# Altium PCB 400442.PcbDoc (part 1 of 4)
Units mil, origin at the board's own origin, x right, y up, seen from the top; angles counter-clockwise.
Board outline 5375 x 2500 mil, 4 copper layers (Top Layer, Mid-Layer 1, Mid-Layer 2, Bottom Layer), stack 59.252 mil thick; 333 components, 216 nets, 1371 pads, 1287 vias.
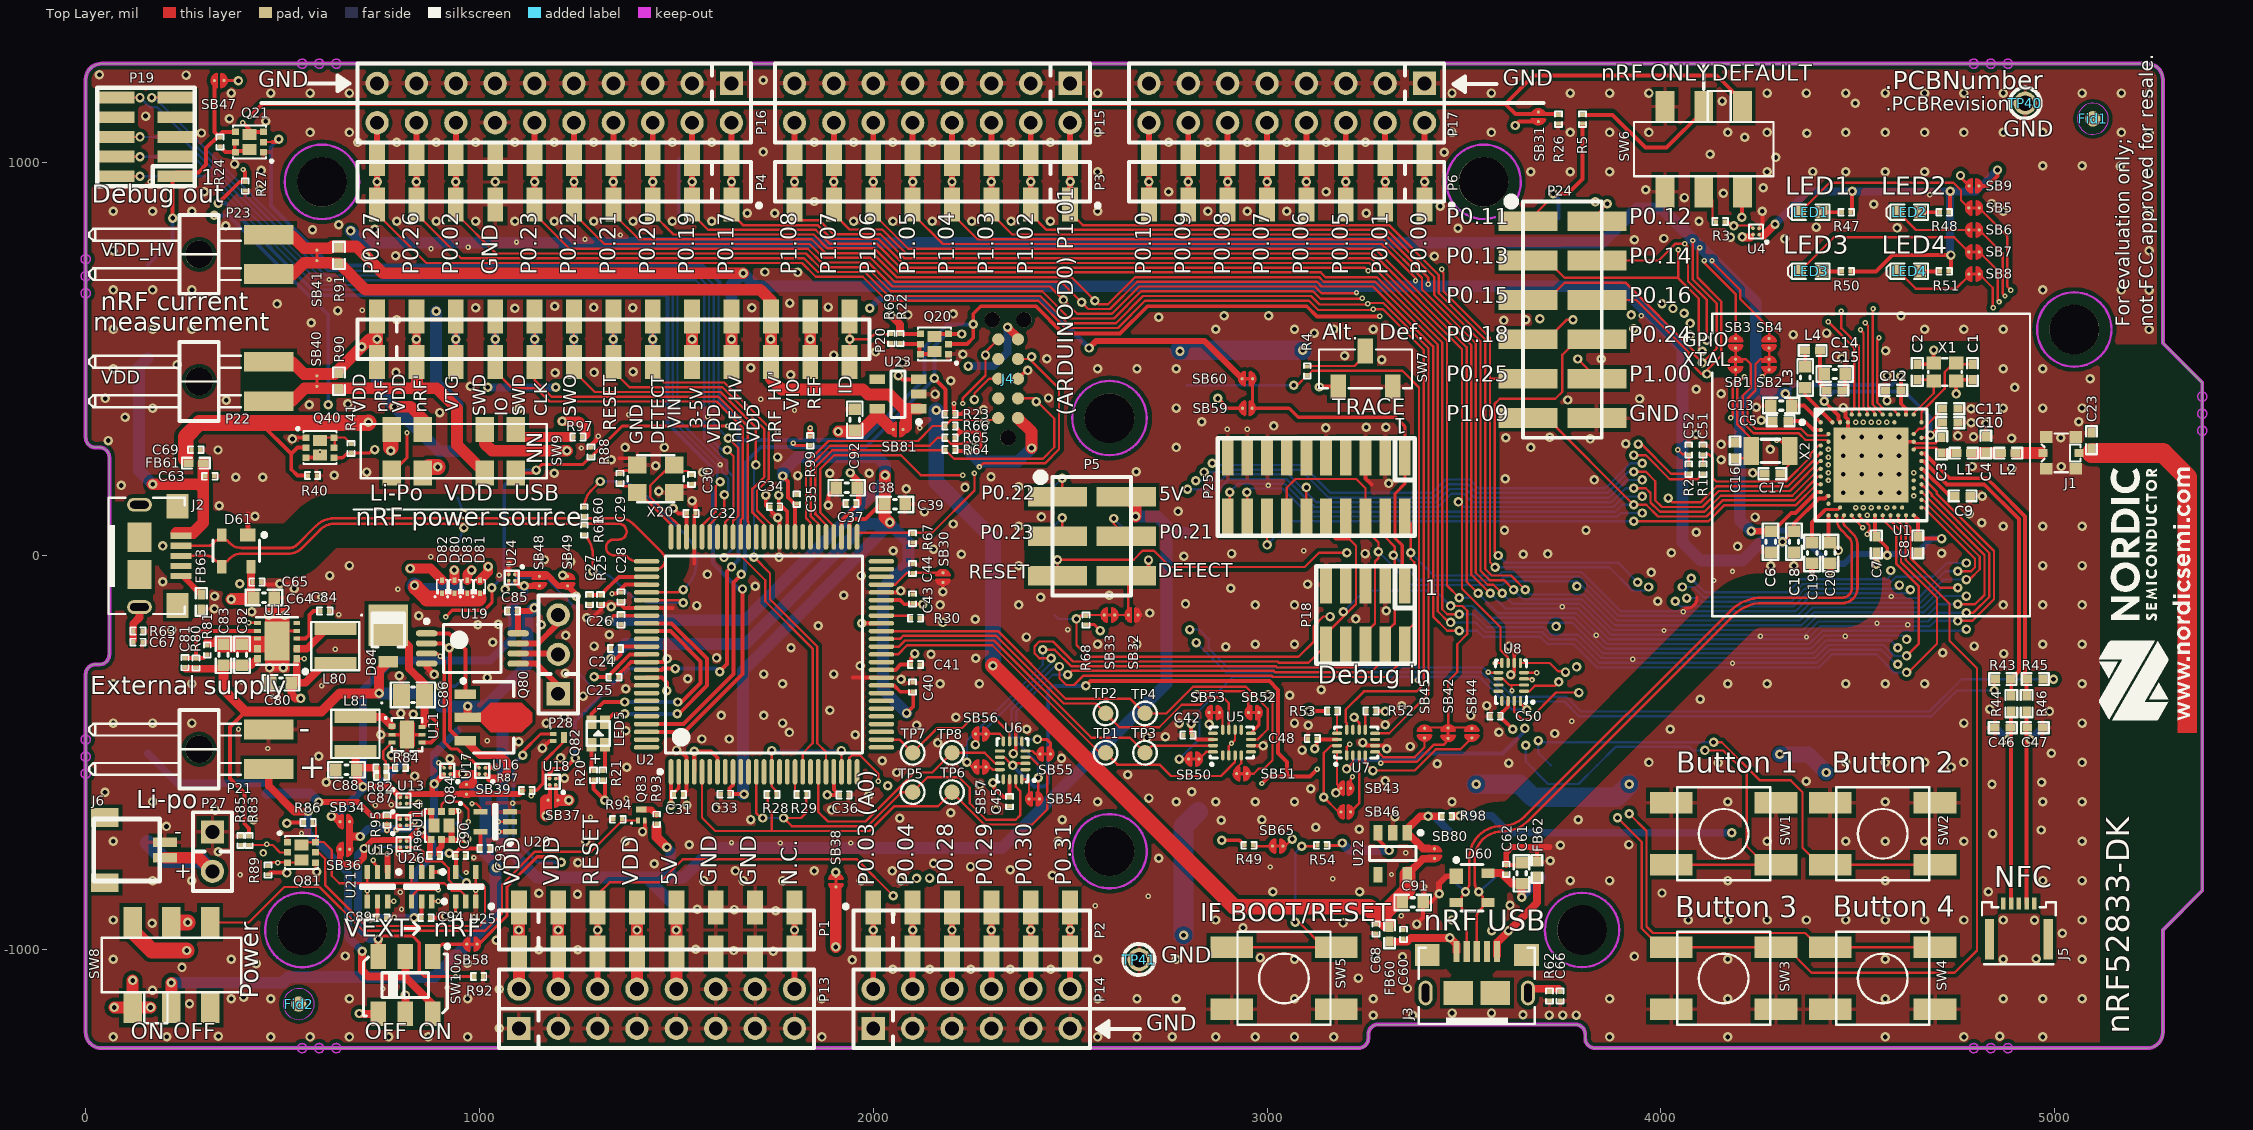
[diagram p0: Top Layer view]
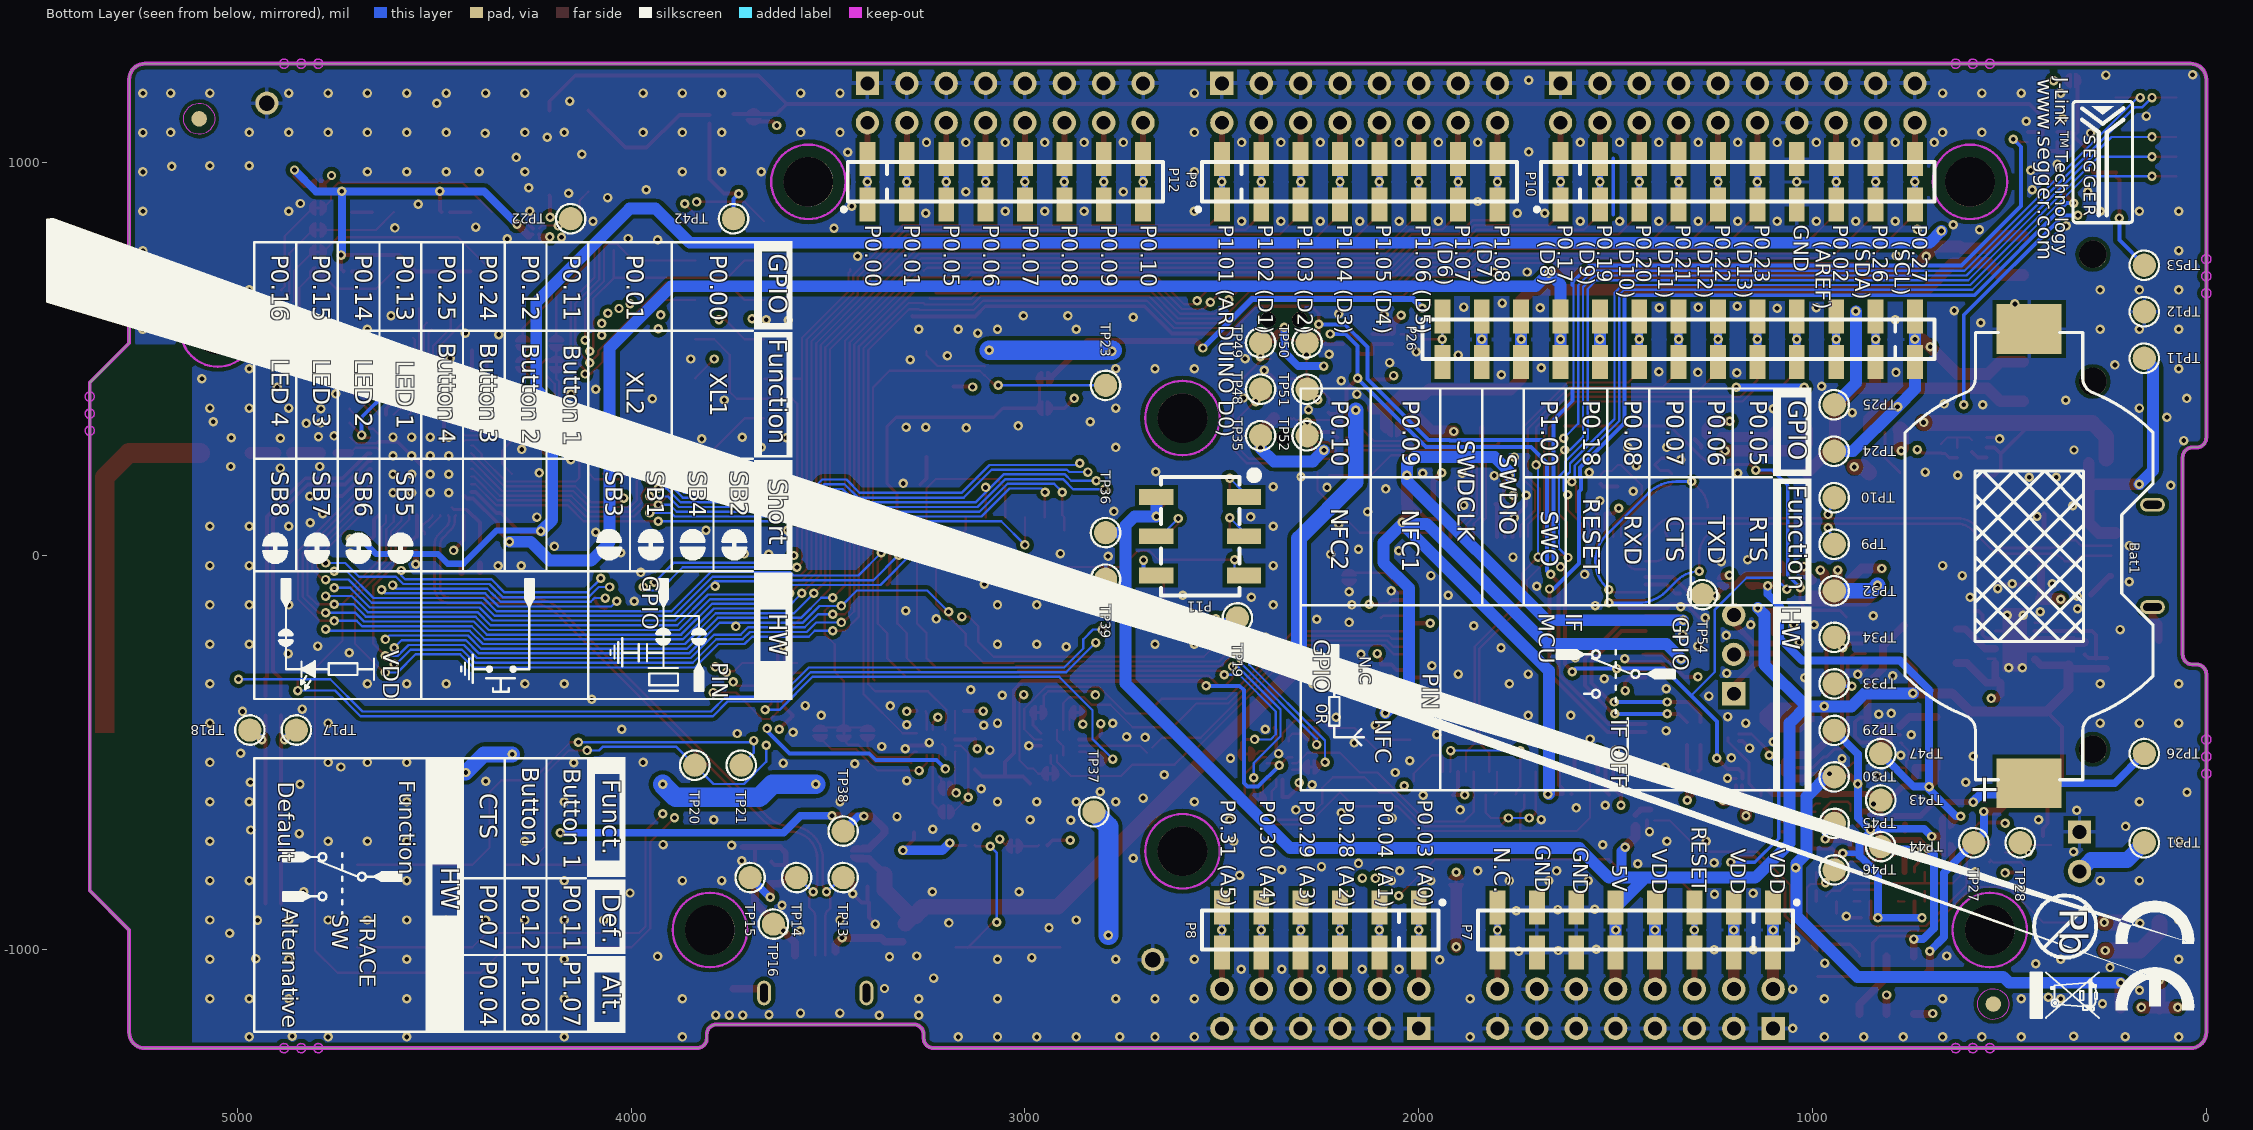
[diagram p1: Bottom Layer view, seen from below]
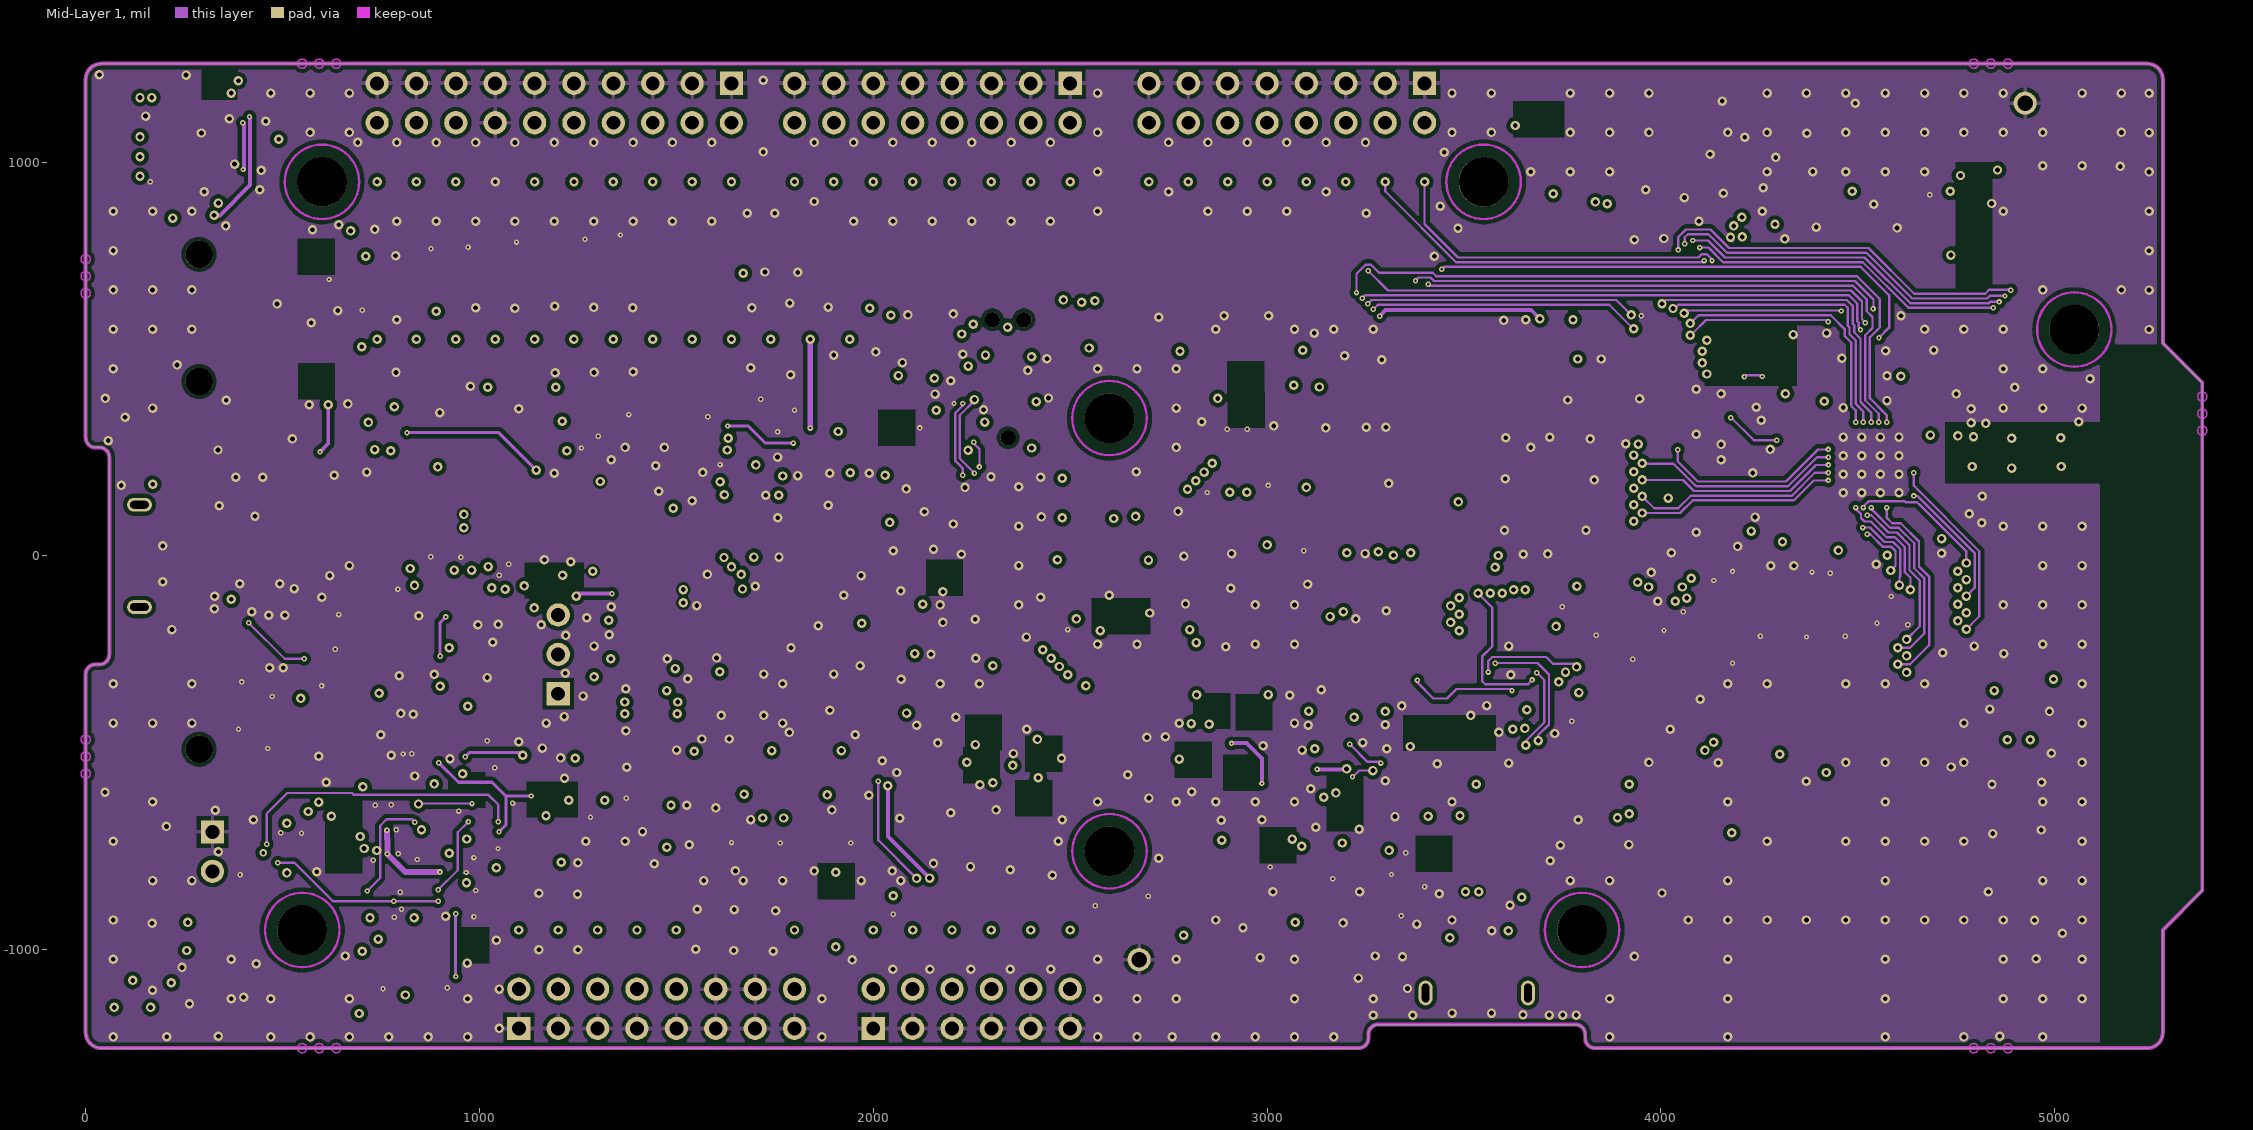
[diagram p2: Mid-Layer 1]
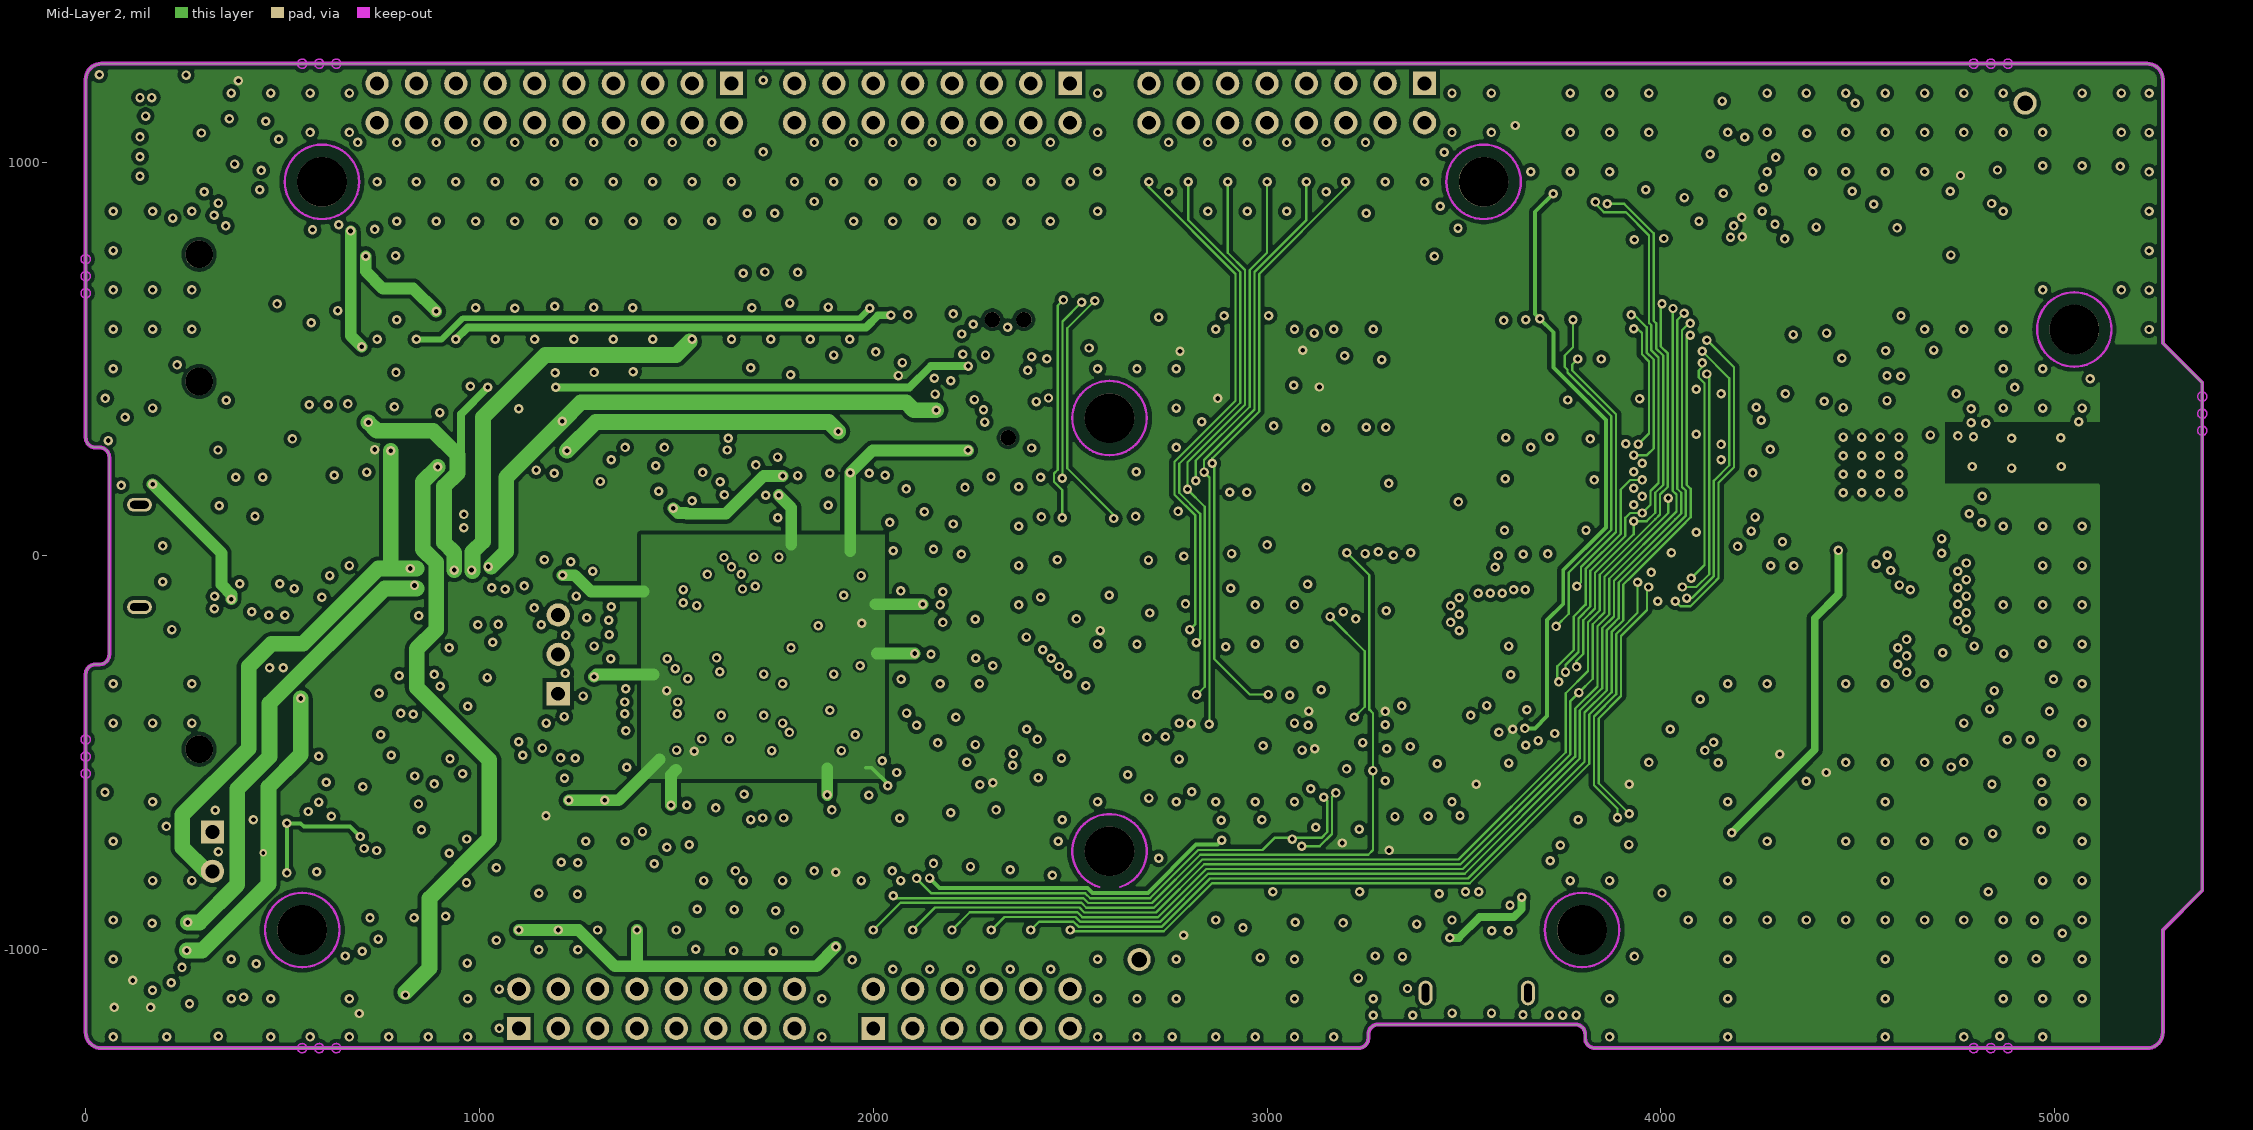
[diagram p3: Mid-Layer 2]
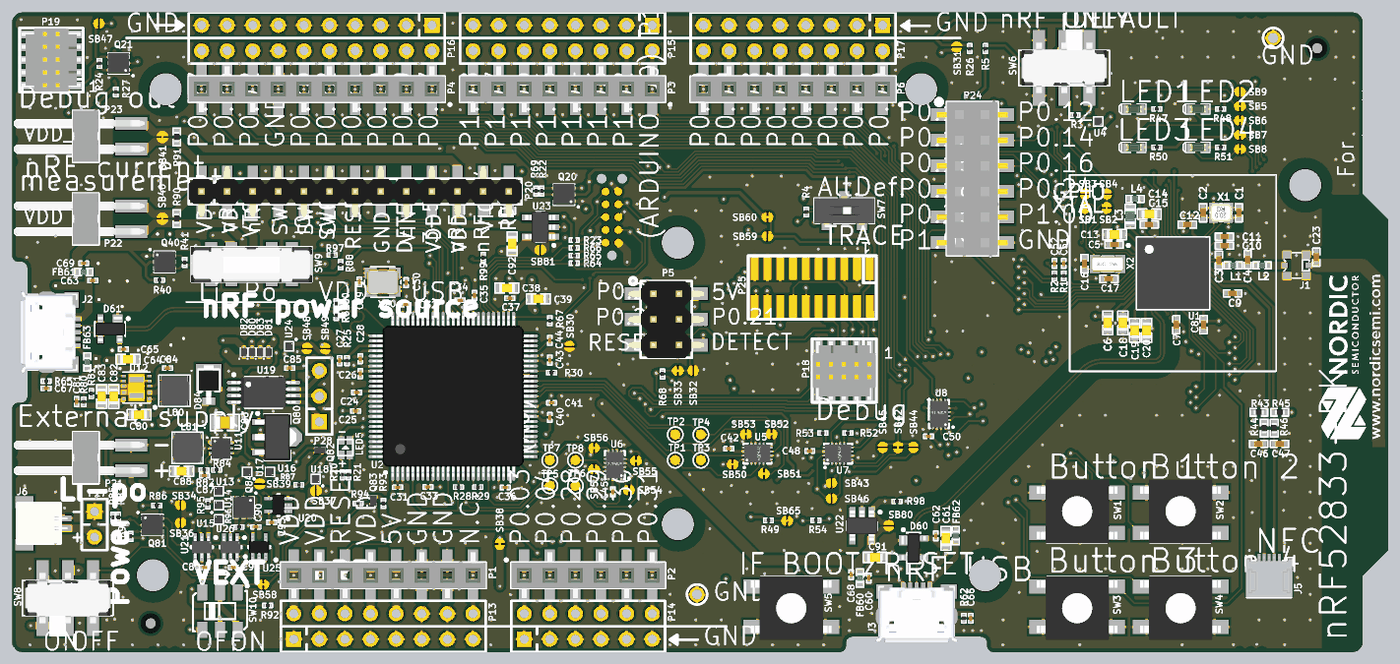
[diagram p7: 3D render of the assembled board from above, using the file's embedded part models]

## Layer stack, top to bottom
Top Solder: solder mask 1.8701, Solder Resist, Dk 3.5
Top Layer: signal copper 0.689
Dielectric1: prepreg 3.937, FR-4, Dk 3.72
Mid-Layer 1: signal copper 1.378
Dielectric2: core 47.2441, FR-4, Dk 3.72
Mid-Layer 2: signal copper 1.378
Dielectric3: prepreg 3.937, FR-4, Dk 3.72
Bottom Layer: signal copper 0.689
Bottom Solder: solder mask 1.8701, Solder Resist, Dk 3.5

## Board outline
0,-1210 0,-300.4 cw(c25,-300.4) 25,-275.4 35,-275.4 ccw(c35,-250.4) 60,-250.4 60,250.4 ccw(c35,250.4) 35,275.4 25,275.4 cw(c25,300.4) 0,300.4 0,1210 cw(c40,1210) 40,1250 5235,1250 cw(c5235,1210) 5275,1210 5275,540 5375,440 5375,-850 5275,-950 5275,-1210 cw(c5235,-1210) 5235,-1250 3833.05,-1250 cw(c3833.05,-1225) 3808.05,-1225 3808.05,-1215 ccw(c3783.05,-1215) 3783.05,-1190 3282.24,-1190 ccw(c3282.24,-1215) 3257.24,-1215 3257.24,-1225 cw(c3232.24,-1225) 3232.24,-1250 40,-1250 cw(c40,-1210)

## Design rules (kind name [scope] priority, off if disabled: settings)
Clearance USB_Poly_Clearance [InNamedPolygon('Top_Layer-GND') vs (IsArc or IsTrack) and (InDifferentialPair('D') or InDifferentialPair('D*') or InDifferentialPair('DHSD') )] p1: gap=59.06 ignorepadtopadclearanceinfootprint=FALSE
Clearance "NPTH clearance" [Not PadIsPlated And HoleSize > 0] p2: gap=9 ignorepadtopadclearanceinfootprint=FALSE except(0: Arc-Hole Track-Hole SMDPad-Hole THPad-Hole Via-Hole Fill-Hole Poly-Hole Region-Hole Text-Hole)
Clearance USB_Clearance [(InDifferentialPairClass('All Differential Pairs'))] p3: gap=6 ignorepadtopadclearanceinfootprint=FALSE except(0: Arc-Hole Track-Hole SMDPad-Hole THPad-Hole Via-Hole Fill-Hole Poly-Hole Region-Hole Text-Hole)
Clearance ANT_Clerance [InNet('ANT') or InNet('RF') vs InNamedPolygon('Top_Layer-GND')] p4: gap=10 ignorepadtopadclearanceinfootprint=FALSE
Clearance Polygon_Clearance [(InNamedPolygon('Top_Layer-GND')) or (InNamedPolygon('Bottom_Layer-GND')) or (InNamedPolygon('Mid_Layer_1-GND')) or (InNamedPolygon('Mid_Layer_2-VDD'))] p5: gap=10 ignorepadtopadclearanceinfootprint=FALSE except(0: Arc-Hole Track-Hole SMDPad-Hole THPad-Hole Via-Hole Fill-Hole Poly-Hole Region-Hole Text-Hole)
Clearance SB_Clearance [HasFootprint('Solderbridge') or HasFootprint('QFN40P180X140X55-10N')] p6: gap=5 ignorepadtopadclearanceinfootprint=FALSE except(0: Arc-Hole Track-Hole SMDPad-Hole THPad-Hole Via-Hole Fill-Hole Poly-Hole Region-Hole Text-Hole)
Clearance CSP_Clearance [HasFootprint('BGA4C40P2X2_76X76X62')] p7: gap=5 ignorepadtopadclearanceinfootprint=FALSE except(0: Arc-Hole Track-Hole SMDPad-Hole THPad-Hole Via-Hole Fill-Hole Poly-Hole Region-Hole Text-Hole)
Clearance P23_Clearance [HasFootprint('FPC_05P-0.5mm-RA-SMD')] p8: gap=5 ignorepadtopadclearanceinfootprint=FALSE except(0: Arc-Hole Track-Hole SMDPad-Hole THPad-Hole Via-Hole Fill-Hole Poly-Hole Region-Hole Text-Hole)
Clearance PSON35P100X50-8N_Clearance [HasFootprint('PSON35P100X50-8N')] p9: gap=5.91 ignorepadtopadclearanceinfootprint=FALSE except(0: Arc-Hole Track-Hole SMDPad-Hole THPad-Hole Via-Hole Fill-Hole Poly-Hole Region-Hole Text-Hole)
Clearance Top_layer_Clearance [All vs OnLayer('Top Layer')] p10: gap=5.71 ignorepadtopadclearanceinfootprint=FALSE
Clearance [All] p11: gap=5.91 ignorepadtopadclearanceinfootprint=FALSE except(0: Arc-Hole Track-Hole SMDPad-Hole THPad-Hole Via-Hole Fill-Hole Poly-Hole Region-Hole Text-Hole)
ComponentClearance [All] p1 off: gap=10 collisioncheckmode=3 verticalgap=10 showdistances=FALSE
DiffPairsRouting [All] p1: maxlimit=7.6 minlimit=7.5 mostfreqgap=7.6 toplayer_minwidth=6.5 toplayer_maxwidth=6.5 toplayer_prefwidth=6.5 midlayer1_minwidth=6.5 midlayer1_maxwidth=6.5 midlayer1_prefwidth=6.5 midlayer2_minwidth=6.5 midlayer2_maxwidth=6.5 midlayer2_prefwidth=6.5 bottomlayer_minwidth=6.5 bottomlayer_maxwidth=6.5 bottomlayer_prefwidth=6.5 maxuncoupledlength=500
FabricationTestPointUsage TestPointUsage [All] p1: valid=0 allowmultiple=FALSE
FabricationTestpoint Testpoint [All] p1: side=3 testpointundercomponent=TRUE minsize=40 maxsize=100 preferedsize=60 minholesize=0 maxholesize=40 preferedholesize=32 testpointgrid=1 allowsidetop=TRUE allowsidebottom=TRUE usegrid=TRUE gridtolerance=0.01
Height [All] p1 off: minheight=0 maxheight=1000 prefheight=500
HoleSize [All] p1: absolutevalues=TRUE maxlimit=196.85 minlimit=5.91 maxpercent=80.000 minpercent=20.000
MinimumAnnularRing [All] p1 off: minimumring=6
NetAntennae NetAntennae_ANT [InNet('ANT')] p1: netantennaetolerance=1574.8
NetAntennae [All] p2: netantennaetolerance=0
PolygonConnect PolygonConnect_1 [isVia and innet(gnd) or isVia and innet('VDD') or HasFootprint('COAXIAL-SWF') or isVia and innet('VDD_SAM')] p1: connectstyle=Direct reliefconductorwidth=10 reliefentries=4 polygonreliefangle="90 Angle" airgapwidth=10
PolygonConnect [All] p2: connectstyle=Relief reliefconductorwidth=10 reliefentries=4 polygonreliefangle="90 Angle" airgapwidth=10
RoutingVias [All] p1: holewidth=12 width=24 viastyle="Through Hole" minholewidth=5.91 minwidth=13.78 maxholewidth=12 maxwidth=24
SilkToSolderMaskClearance SilkscreenOverComponentPads [IsPad] p1: minsilkscreentomaskgap=10 clearancetoexposedcopper=TRUE
SolderMaskExpansion [All] p1: expansion=3
UnpouredPolygon [All] p1 off:
Width Width_Diff [(InDifferentialPairClass('All Differential Pairs'))] p1: maxlimit=6.5 minlimit=6.5 preferedwidth=6.5
Width [All] p2: maxlimit=400 minlimit=5.71 preferedwidth=6 midlayer1_minwidth=5.91 midlayer2_minwidth=5.91 bottomlayer_minwidth=5.91 minimp=50.000000 maximp=50.000000 favimp=50.000000
21 further rules are at their usual default settings.

## Classes and differential pairs
differential pair D*: +D*_P -D*_N
differential pair DHSD: +DHSD_P -DHSD_N
differential pair DFSD: +DFSD_P -DFSD_N

## Components (designator, comment, footprint, x,y, rotation, side; value= is the part's Value field where it differs from the comment)
Bat1 "Bat Holder CR2032" CR2032_HOLDER_RENATA_SMTU_2032-1-LF 450,-0.6 r90 bottom locked
C1 "12pF" CAPC1005X04L 4791.45,467.04 r270 top
C2 "12pF" CAPC1005X04L 4651.45,467.04 r90 top
C3 "1.0pF" CAPC1005X04L 4713.2,281.21 r270 top
C4 "1.2pF" CAPC1005X04L 4825.6,283 r270 top
C5 "100nF" CAPC1005X04L 4304.08,342.73 r180 top
C6 "4.7µF" CAPC1608X06L 4278.98,36.12 r270 top
C7 "100nF" CAPC1005X04L 4546.84,29.23 r270 top
C8 "100nF" CAPC1005X04L 4653.09,29.23 r270 top
C9 "820pF" CAPC1005X04L 4766.28,152.26 r0 top
C10 "N.C." CAPC1005X04L 4734.79,338.28 r180 top
C11 "100pF" CAPC1005X04L 4734.79,373.72 r0 top
C12 "100nF" CAPC1005X04L 4590.1,420.96 r180 top
C13 "1.0µF" CAPC1608X06L 4305.65,381.65 r180 top
C14 "1.0µF" CAPC1608X06L 4441.48,461.87 r180 top
C15 "47nF" CAPC1005X04L 4441,421 r0 top
C16 "12pF" CAPC1005X04L 4188.39,267.73 r270 top
C17 "12pF" CAPC1005X04L 4283.39,208.73 r0 top
C18 "4.7µF" CAPC1608X06L 4338.13,36.12 r270 top
C19 "4.7µF" CAPC1608X06L 4384.39,7.57 r270 top
C20 "4.7µF" CAPC1608X06L 4430.65,7.57 r270 top
C23 "1.2pF" CAPC1005X04L 5093.67,293.46 r90 top
C24 "100nF" CAPC0603X03L_C 1345.61,-235 r0 top
C25 "100nF" CAPC0603X03L_C 1341.61,-308 r180 top
C26 "100nF" CAPC0603X03L_C 1359.61,-162 r90 top
C27 "10pF" CAPC0603X03L_C 1279.61,-111 r90 top
C28 "100nF" CAPC0603X03L_C 1359.61,-104 r90 top
C29 "18pF" CAPC0603X03L_C 1356.61,197 r90 top
C30 "18pF" CAPC0603X03L_C 1538.61,194 r270 top
C31 "100nF" CAPC0603X03L_C 1505.61,-606 r180 top
C32 "100nF" CAPC0603X03L_C 1537.61,108 r0 top
C33 "100nF" CAPC0603X03L_C 1624,-605 r0 top
C34 "100nF" CAPC0603X03L_C 1749.61,125 r0 top
C35 "100nF" CAPC0603X03L_C 1805.61,144 r270 top
C36 "100nF" CAPC0603X03L_C 1926,-607 r180 top
C37 "100nF" CAPC0603X03L_C 1943.61,133 r0 top
C38 "10µF" CAPC1608X06L 1932.61,173 r0 top
C39 "10µF" CAPC1608X06L 2055,131 r180 top
C40 "100nF" CAPC0603X03L_C 2100,-333 r270 top
C41 "100nF" CAPC0603X03L_C 2107,-276 r180 top
C42 "100nF" CAPC0603X03L_C 2799,-455 r0 top
C43 "100nF" CAPC0603X03L_C 2100,-109 r270 top
C44 "10nF" CAPC0603X03L_C 2100,-32 r270 top
C45 "100nF" CAPC0603X03L_C 2346,-624 r90 top
C46 "300pF" CAPC1005X04L 4868,-436.27 r180 top
C47 "300pF" CAPC1005X04L 4950,-436.27 r180 top
C48 "100nF" CAPC0603X03L_C 3115,-464 r0 top
C50 "100nF" CAPC0603X03L_C 3579,-407 r0 top
C51 "N.C." CAPC0603X03L_C 4107,269 r270 top
C52 "N.C." CAPC0603X03L_C 4071,269 r90 top
C60 "10nF" CAPC0603X03L_C 3346.27,-960.97 r270 top
C61 "10µF" CAPC1608X06L 3646.57,-805.97 r270 top
C62 "100nF" CAPC0603X03L_C 3607.57,-795.97 r270 top
C63 "10nF" CAPC0603X03L_C 315,202 r0 top
C64 "10µF" CAPC1608X06L 452.61,-106 r180 top
C65 "100nF" CAPC0603X03L_C 434.61,-66 r180 top
C66 "4.7nF" CAPC0603X03L_C 3744.25,-1117.89 r90 top
C67 "4.7nF" CAPC0603X03L_C 132.84,-219 r180 top
C68 "100nF" CAPC0603X03L_C 3276.5,-947.5 r90 top
C69 "100nF" CAPC0603X03L_C 279.6,269.7 r180 top
C80 "10µF" CAPC1608X06L 496,-322 r0 top
C81 "15pF" CAPC0603X03L_C 252,-271 r270 top
C82 "10µF" CAPC1608X06L 397,-251 r270 top
C83 "10µF" CAPC1608X06L 350,-251 r270 top
C84 "470nF" CAPC0603X03L_C 607,-140 r180 top
C85 "100nF" CAPC0603X03L_C 1084,-140 r0 top
C86 "4.7µF" CAPC2012X11L 831,-353 r0 top
C87 "150pF" CAPC0603X03L_C 751,-560 r180 top
C88 "10µF" CAPC1608X06L 662,-543 r0 top
C89 "100nF" CAPC0603X03L_C 752,-919 r180 top
C90 "100nF" CAPC0603X03L_C 952,-761 r180 top
C91 "1.0µF" CAPC1608X06L 3370,-880 r180 top
C92 "1.0µF" CAPC1608X06L 1953,346 r270 top
C93 "100nF" CAPC0603X03L_C 1014,-743 r180 top
C94 "100nF" CAPC0603X03L_C 864,-919 r180 top
D60 "PRTR5V0U2X" SOT190P230X110-4L 3520.76,-842.92 r0 top
D61 "PRTR5V0U2X" SOT190P230X110-4L 382.61,13 r270 top
D80 "NSR0620P2T5G" SODFL100X40-2N 937,-78.13 r90 top
D81 "NSR0620P2T5G" SODFL100X40-2N 1001,-78.13 r90 top
D82 "NSR0620P2T5G" SODFL100X40-2N 905,-78.13 r90 top
D83 "NSR0620P2T5G" SODFL100X40-2N 969,-78.13 r90 top
D84 "MBRM110E" DO-216AA 768,-204 r270 top
FB60 "120R/0.55A" INDC1005X04L 3311.27,-960.97 r90 top
FB61 "120R/0.55A" INDC1005X04L 279.9,235.6 r180 top
FB62 "120R/0.55A" INDC1005X04L 3685.57,-794.97 r90 top
FB63 "120R/0.55A" INDC1005X04L 293.57,-116.97 r270 top
Fid1 "Fiducial mark" Fiducial 5097.28,1110 r180 top
Fid2 "Fiducial mark" Fiducial 541.05,-1138 r0 top
J1 "MM8130-2600" COAXIAL-SWF 5016.67,261.46 r90 top
J2 "MicroUSB-B" USB-Micro-B-RA-SMD-PiP 241.84,0 r0 top
J3 "MicroUSB-B" USB-Micro-B-RA-SMD-PiP 3532.65,-1004.65 r90 top
J4 "TC2050-IDC" TC2050-IDC-NLFP 2342.52,450 r90 top locked
J5 "FPC 0.5mm RA SMD" FPC_05P-0.5mm-RA-SMD 4869.99,-882.75 r0 top
J6 "HDR-2, 1mm" SM02B-SRSS-TB 201,-747 r270 top locked
L1 "4.7nH" INDC1005X04L 4769.2,261.21 r0 top
L2 "2.2nH" INDC1005X04L 4882,261.2 r0 top
L3 "10µH" INDC1608X06L 4366.68,453.44 r270 top
L4 "15nH" INDC1005X04L 4385.38,521.35 r180 top
L80 "2.2µH" TY-NR3015 634,-229 r270 top
L81 "4.7µH" TY-NR3015 685,-452 r270 top
LED1 "L0603G" LED_0603_G 4380.83,872.73 r0 top
LED2 "L0603G" LED_0603_G 4630.83,872.73 r0 top
LED3 "L0603G" LED_0603_G 4380.83,722.73 r0 top
LED4 "L0603G" LED_0603_G 4630.83,722.73 r0 top
LED5 "LED RG" LED_DUAL_0606 1301.61,-451 r180 top
P1 "Socket 1x8" SOCKET_1x8_SMD 1100,-950 r0 top locked
P2 "Socket 1x6" SOCKET_1x6_SMD 2000,-950 r0 top locked
P3 "Socket 1x8" SOCKET_1x8_SMD 2500,950 r180 top locked
P4 "Socket 1x10" SOCKET_1x10_SMD 1640,950 r180 top locked
P5 "Pin Hdr 2x3" HDR_2x3-SMD 2555,50 r270 top locked
P6 "Socket 1x8" SOCKET_1x8_SMD 3400,950 r180 top locked
P7 "Pin List 1x8" LIST_1x8_SMD-NC 1100,-950 r0 bottom locked
P8 "Pin List 1x6" LIST_1x6_SMD-NC 2000,-950 r0 bottom locked
P9 "Pin List 1x8" LIST_1x8_SMD-NC 2500,950 r180 bottom locked
P10 "Pin List 1x10" LIST_1x10_SMD-NC 1640,950 r180 bottom locked
P11 "Socket 2x3" SOCKET_2x3_SMD-2.54mm-bottom-NC 2555,50 r270 top locked
P12 "Pin List 1x8" LIST_1x8_SMD-NC 3400,950 r180 bottom locked
P13 "Pin Header 2x8" HDR_2x8-NC 1450,-1150 r0 top locked
P14 "Pin Header 2x6" HDR_2x6-NC 2250,-1150 r0 top locked
P15 "Pin Header 2x8" HDR_2x8-NC 2150,1150 r180 top locked
P16 "Pin Header 2x10" HDR_2x10-NC 1190,1150 r180 top locked
P17 "Pin Header 2x8" HDR_2x8-NC 3050,1150 r180 top locked
P18 "Pin Header 2x5, 1.27mm" HDR_2x5-SMD-1.27mm-K 3250,-150 r180 top locked
P19 "Pin Header 2x5, 1.27mm" HDR_2x5-SMD-1.27mm-K 152.99,1064 r90 top
P20 "Pin List 1x13" LIST_1x13_SMD 740,550 r0 top locked
P21 "Pin List 1x2, Angled" LIST_ANG_1x2-SMD-2.54MM 464.99,-491 r270 top locked
P22 "Pin List 1x2, Angled" LIST_ANG_1x2-SMD-2.54MM 464.99,442.91 r270 top locked
P23 "Pin List 1x2, Angled" LIST_ANG_1x2-SMD-2.54MM 464.99,765.75 r270 top
P24 "Socket 2x6" SOCKET_2x6_SMD-2.54mm 3750,600 r270 top locked
P25 "Pin Header 2x10, 1.27mm" HDR_2x10-SMD-1.27mm-NC 3125,175 r180 top locked
P26 "Socket 1x13" LIST_1x13_SMD-NC 740,550 r0 bottom locked
P27 "Pin List 1x2" LIST_1x2-NC 322,-751 r270 top locked
P28 "Pin List 1x3" LIST_1x3-NC 1200,-250 r90 top locked
Q20 "PMCPB5530" DFN65P200X200X80_HS-6N 2155.33,538 r180 top
Q21 "PMCPB5530" DFN65P200X200X80_HS-6N 416,1051 r180 top
Q40 "PMCPB5530" DFN65P200X200X80_HS-6N 595,275 r0 top
Q80 "FCX690BTA" SOT89-150P409X160-3N 1035,-410 r0 top
Q81 "TSM250N02DCQ RFG" DFN65P200X200X80_HS-6N 548,-753 r0 top
Q82 "RV2C010UNT2L" DFN65P100X40-3L 1201,-461 r0 top
Q83 "RV2C010UNT2L" DFN65P100X40-3L 1411,-658 r90 top
Q84 "PMCPB5530" DFN65P200X200X80_HS-6N 903.59,-684.8 r270 top
R1 "0R" RESC0603X03L_C 4107,220 r90 top
R2 "0R" RESC0603X03L_C 4071,220 r90 top
R3 "10k" RESC0603X03L_C 4151,849 r180 top
R4 "10k" RESC0603X03L_C 3102,470 r90 top
R5 "10k" RESC0603X03L_C 3801,1109 r90 top
R20 "220R" RESC0603X03L_C 1289.87,-557 r270 top
R21 "220R" RESC0603X03L_C 1313.34,-557 r270 top
R22 "10k" RESC0603X03L_C 2068.33,552 r270 top
R23 "10k" RESC0603X03L_C 2195,360 r180 top
R24 "10k" RESC0603X03L_C 341,1051 r270 top